# Altium PCB Copy of RTD_12POS_WPSv2.PcbDoc (part 1 of 2)
Units mm, origin at the board's own origin, x right, y up, seen from the top; angles counter-clockwise.
Board outline 122.55 x 122.29 mm, 2 copper layers (Top Layer, Bottom Layer); 330 components, 293 nets, 1223 pads, 0 vias.
Unrouted connection lines stored in the file: 846.
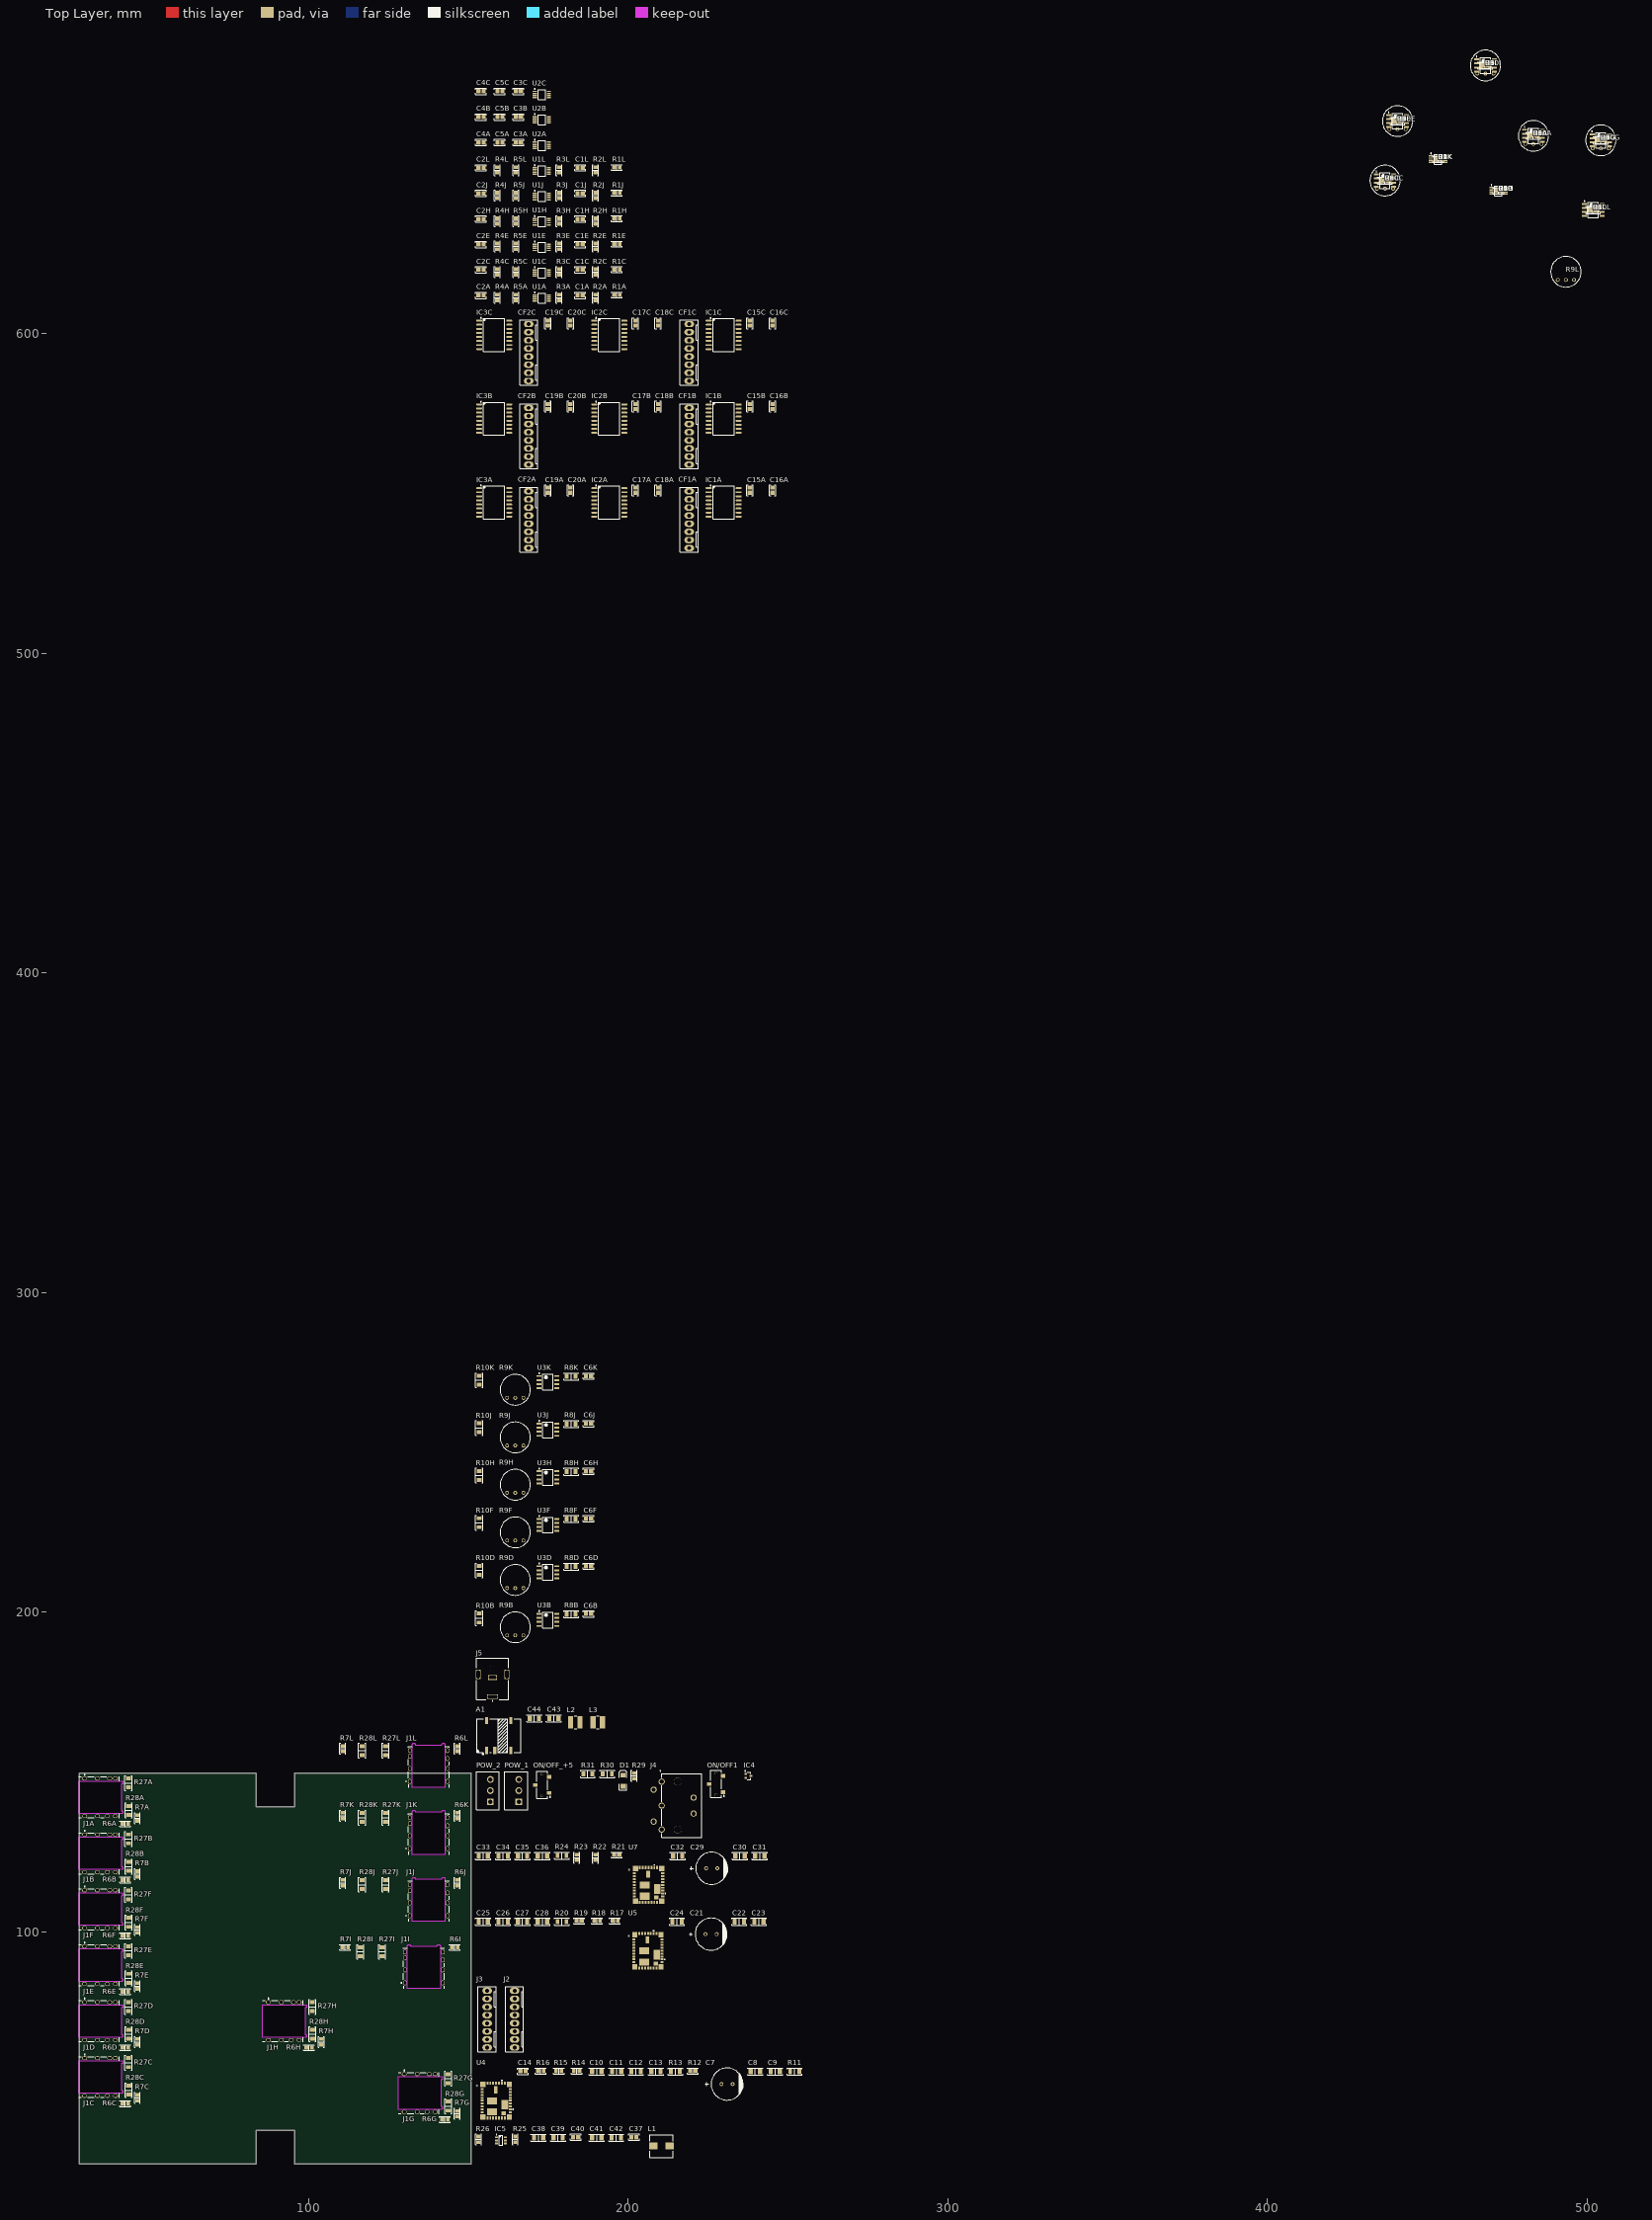
[diagram p0: Top Layer view]
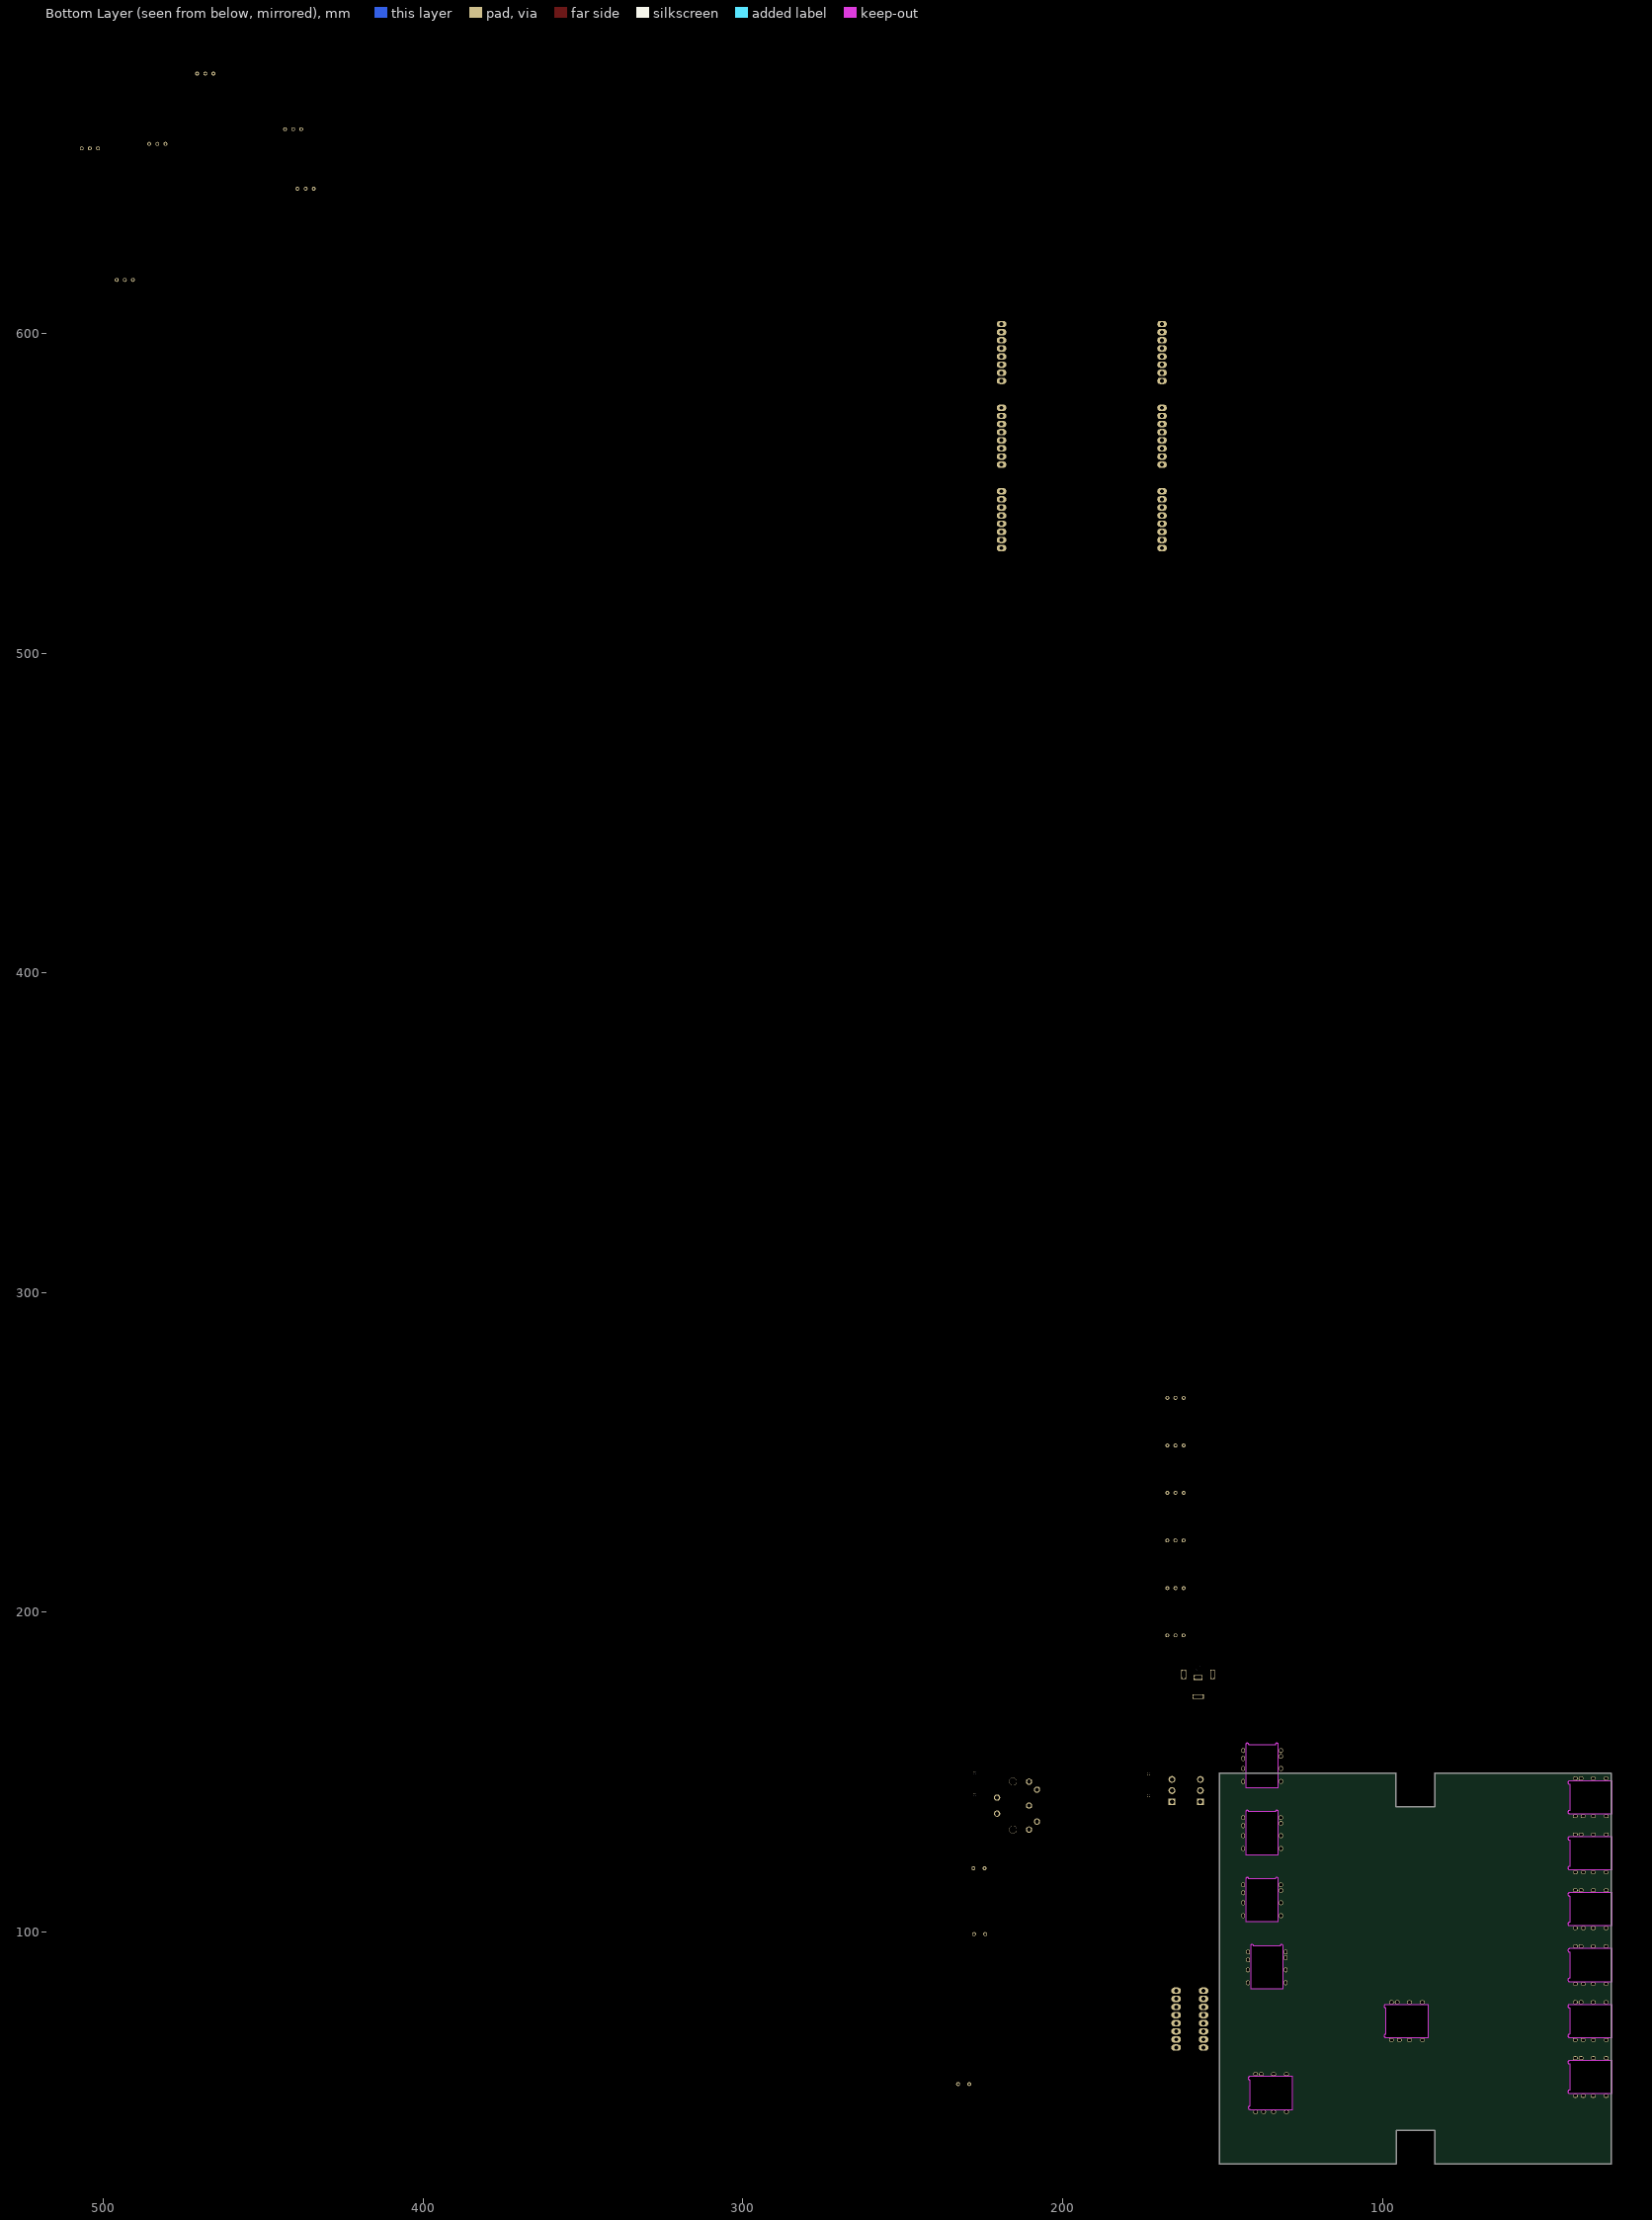
[diagram p1: Bottom Layer view, seen from below]

## Layer stack, top to bottom
Top Solder: solder mask 0.0102, Solder Resist, Dk 3.5
Top Layer: signal copper 0.0356
Dielectric 1: dielectric 0.32, FR-4, Dk 4.8
Bottom Layer: signal copper 0.0356
Bottom Solder: solder mask 0.0102, Solder Resist, Dk 3.5

## Board outline
28.373,27.5 ccw(c28.5,27.5) 28.5,27.373 83.48,27.373 ccw(c83.48,27.5) 83.607,27.5 83.607,37.873 95.673,37.873 95.673,27.51 ccw(c95.8,27.51) 95.715,27.415 ccw(c95.81,27.5) 95.81,27.373 150.8,27.373 ccw(c150.8,27.5) 150.927,27.5 150.927,149.54 ccw(c150.8,149.54) 150.8,149.667 95.82,149.667 ccw(c95.82,149.54) 95.693,149.54 95.693,139.147 83.607,139.147 83.607,149.54 ccw(c83.48,149.54) 83.48,149.667 28.5,149.667 ccw(c28.5,149.54) 28.373,149.54

## Design rules (kind name [scope] priority, off if disabled: settings)
Clearance [All] p1: gap=0.254 ignorepadtopadclearanceinfootprint=FALSE except(0: Arc-Hole Track-Hole SMDPad-Hole THPad-Hole Via-Hole Fill-Hole Poly-Hole Region-Hole Text-Hole)
PolygonConnect [All] p1: connectstyle=Relief reliefconductorwidth=0.254 reliefentries=4 polygonreliefangle="90 Angle" airgapwidth=0.254
RoomDefinition U_VrefSchC [InComponentClass('U_VrefSchC')] p1: confinementstyle=ConfineIn formatcopy=TRUE lockcomponents=FALSE outline 152,672.799 176.4,672.799 176.4,679.599 152,679.599
RoomDefinition U_VrefSchB [InComponentClass('U_VrefSchB')] p2: confinementstyle=ConfineIn formatcopy=TRUE lockcomponents=FALSE outline 152,664.899 176.4,664.899 176.4,671.599 152,671.599
RoomDefinition U_VrefSchA [InComponentClass('U_VrefSchA')] p3: confinementstyle=ConfineIn formatcopy=TRUE lockcomponents=FALSE outline 152,656.899 176.4,656.899 176.4,663.599 152,663.599
RoomDefinition U_VccConnSch [InComponentClass('U_VccConnSch')] p4: confinementstyle=ConfineIn formatcopy=TRUE lockcomponents=FALSE outline 152,171.9 163.2,171.9 163.2,188.5 152,188.5
RoomDefinition U_RTDAnalogL [InComponentClass('U_RTDAnalogL')] p5: confinementstyle=ConfineIn formatcopy=TRUE lockcomponents=FALSE outline 152,648.899 199.2,648.899 199.2,655.699 152,655.699
RoomDefinition U_RTDAnalogK [InComponentClass('U_RTDAnalogK')] p6: confinementstyle=ConfineIn formatcopy=TRUE lockcomponents=FALSE outline 450,652.6 457.9,652.6 457.9,656.8 450,656.8
RoomDefinition U_RTDAnalogJ [InComponentClass('U_RTDAnalogJ')] p7: confinementstyle=ConfineIn formatcopy=TRUE lockcomponents=FALSE outline 152,640.899 199.2,640.899 199.2,647.699 152,647.699
RoomDefinition U_RTDAnalogI [InComponentClass('U_RTDAnalogI')] p8: confinementstyle=ConfineIn formatcopy=TRUE lockcomponents=FALSE outline 468.897,642.697 476.297,642.697 476.297,646.897 468.897,646.897
RoomDefinition U_RTDAnalogH [InComponentClass('U_RTDAnalogH')] p9: confinementstyle=ConfineIn formatcopy=TRUE lockcomponents=FALSE outline 152,632.999 199.2,632.999 199.2,639.699 152,639.699
RoomDefinition U_RTDAnalogG [InComponentClass('U_RTDAnalogG')] p10: confinementstyle=ConfineIn formatcopy=TRUE lockcomponents=FALSE outline 468.897,642.697 476.797,642.697 476.797,646.897 468.897,646.897
RoomDefinition U_RTDAnalogF [InComponentClass('U_RTDAnalogF')] p11: confinementstyle=ConfineIn formatcopy=TRUE lockcomponents=FALSE outline 468.897,642.697 476.797,642.697 476.797,646.897 468.897,646.897
RoomDefinition U_RTDAnalogE [InComponentClass('U_RTDAnalogE')] p12: confinementstyle=ConfineIn formatcopy=TRUE lockcomponents=FALSE outline 152,624.999 199.2,624.999 199.2,631.799 152,631.799
RoomDefinition U_RTDAnalogD [InComponentClass('U_RTDAnalogD')] p13: confinementstyle=ConfineIn formatcopy=TRUE lockcomponents=FALSE outline 468.897,642.697 476.797,642.697 476.797,646.897 468.897,646.897
RoomDefinition U_RTDAnalogC [InComponentClass('U_RTDAnalogC')] p14: confinementstyle=ConfineIn formatcopy=TRUE lockcomponents=FALSE outline 152,616.999 199.2,616.999 199.2,623.799 152,623.799
RoomDefinition U_RTDAnalogB [InComponentClass('U_RTDAnalogB')] p15: confinementstyle=ConfineIn formatcopy=TRUE lockcomponents=FALSE outline 468.897,642.697 476.797,642.697 476.797,646.897 468.897,646.897
RoomDefinition U_RTDAnalogA [InComponentClass('U_RTDAnalogA')] p16: confinementstyle=ConfineIn formatcopy=TRUE lockcomponents=FALSE outline 152,609.099 199.2,609.099 199.2,615.799 152,615.799
RoomDefinition U_PowerIsolation [InComponentClass('U_PowerIsolation')] p17: confinementstyle=ConfineIn formatcopy=TRUE lockcomponents=FALSE outline 152,154.6 193.6,154.6 193.6,170.7 152,170.7
RoomDefinition U_PowerDelivery [InComponentClass('U_PowerDelivery')] p18: confinementstyle=ConfineIn formatcopy=TRUE lockcomponents=FALSE outline 152.1,129 240.5,129 240.5,153.4 152.1,153.4
RoomDefinition U_Neg12V [InComponentClass('U_Neg12V')] p19: confinementstyle=ConfineIn formatcopy=TRUE lockcomponents=FALSE outline 152.1,108.3 243.8,108.3 243.8,127.8 152.1,127.8
RoomDefinition U_Neg5V [InComponentClass('U_Neg5V')] p20: confinementstyle=ConfineIn formatcopy=TRUE lockcomponents=FALSE outline 152.1,87.7 243.5,87.7 243.5,107.1 152.1,107.1
RoomDefinition U_MonitorOut [InComponentClass('U_MonitorOut')] p21: confinementstyle=ConfineIn formatcopy=TRUE lockcomponents=FALSE outline 152.1,61.5 168.3,61.5 168.3,86.4 152.1,86.4
RoomDefinition U_IsolationOut [InComponentClass('U_IsolationOut')] p22: confinementstyle=ConfineIn formatcopy=TRUE lockcomponents=FALSE outline 152.1,582.899 250.099,582.899 250.099,607.899 152.1,607.899
RoomDefinition U_ConnGd- [InComponentClass('U_ConnGd-')] p23: confinementstyle=ConfineIn formatcopy=TRUE lockcomponents=FALSE outline 152.1,556.699 250.099,556.699 250.099,581.699 152.1,581.699
RoomDefinition U_ConnGd+ [InComponentClass('U_ConnGd+')] p24: confinementstyle=ConfineIn formatcopy=TRUE lockcomponents=FALSE outline 152.1,530.599 250.099,530.599 250.099,555.499 152.1,555.499
RoomDefinition U_ConnectorSchRF [InComponentClass('U_ConnectorSchRF')] p25: confinementstyle=ConfineIn formatcopy=TRUE lockcomponents=FALSE outline 109.5,142.199 150.3,142.199 150.3,161.899 109.5,161.899
RoomDefinition U_ConnectorSchRE [InComponentClass('U_ConnectorSchRE')] p26: confinementstyle=ConfineIn formatcopy=TRUE lockcomponents=FALSE outline 109.5,121.199 150.3,121.199 150.3,140.899 109.5,140.899
RoomDefinition U_ConnectorSchRD [InComponentClass('U_ConnectorSchRD')] p27: confinementstyle=ConfineIn formatcopy=TRUE lockcomponents=FALSE outline 109.5,100.199 150.3,100.199 150.3,119.899 109.5,119.899
RoomDefinition U_ConnectorSchRC [InComponentClass('U_ConnectorSchRC')] p28: confinementstyle=ConfineIn formatcopy=TRUE lockcomponents=FALSE outline 109.5,79.199 148.3,79.199 148.3,98.899 109.5,98.899
RoomDefinition U_ConnectorSchRB [InComponentClass('U_ConnectorSchRB')] p29: confinementstyle=ConfineIn formatcopy=TRUE lockcomponents=FALSE outline 82.5,62.5 105.3,62.5 105.3,79.7 82.5,79.7
RoomDefinition U_ConnectorSchRA [InComponentClass('U_ConnectorSchRA')] p30: confinementstyle=ConfineIn formatcopy=TRUE lockcomponents=FALSE outline 125,40 147.8,40 147.8,57.2 125,57.2
RoomDefinition U_ConnectorSchLF [InComponentClass('U_ConnectorSchLF')] p31: confinementstyle=ConfineIn formatcopy=TRUE lockcomponents=FALSE outline 25,97.5 47.8,97.5 47.8,114.7 25,114.7
RoomDefinition U_ConnectorSchLE [InComponentClass('U_ConnectorSchLE')] p32: confinementstyle=ConfineIn formatcopy=TRUE lockcomponents=FALSE outline 25,80 47.8,80 47.8,97.2 25,97.2
RoomDefinition U_ConnectorSchLD [InComponentClass('U_ConnectorSchLD')] p33: confinementstyle=ConfineIn formatcopy=TRUE lockcomponents=FALSE outline 25,62.5 47.8,62.5 47.8,79.7 25,79.7
RoomDefinition U_ConnectorSchLC [InComponentClass('U_ConnectorSchLC')] p34: confinementstyle=ConfineIn formatcopy=TRUE lockcomponents=FALSE outline 25,45 47.8,45 47.8,62.2 25,62.2
RoomDefinition U_ConnectorSchLB [InComponentClass('U_ConnectorSchLB')] p35: confinementstyle=ConfineIn formatcopy=TRUE lockcomponents=FALSE outline 25,115 47.8,115 47.8,132.2 25,132.2
RoomDefinition U_ConnectorSchLA [InComponentClass('U_ConnectorSchLA')] p36: confinementstyle=ConfineIn formatcopy=TRUE lockcomponents=FALSE outline 25,132.5 47.8,132.5 47.8,149.7 25,149.7
RoomDefinition U_ComparisonSchL [InComponentClass('U_ComparisonSchL')] p37: confinementstyle=ConfineIn formatcopy=TRUE lockcomponents=FALSE outline 496.4,633.2 507.7,633.2 507.7,644.2 496.4,644.2
RoomDefinition U_ComparisonSchK [InComponentClass('U_ComparisonSchK')] p38: confinementstyle=ConfineIn formatcopy=TRUE lockcomponents=FALSE outline 152,264.099 190.6,264.099 190.6,277.699 152,277.699
RoomDefinition U_ComparisonSchJ [InComponentClass('U_ComparisonSchJ')] p39: confinementstyle=ConfineIn formatcopy=TRUE lockcomponents=FALSE outline 152,249.2 190.6,249.2 190.6,262.799 152,262.799
RoomDefinition U_ComparisonSchI [InComponentClass('U_ComparisonSchI')] p40: confinementstyle=ConfineIn formatcopy=TRUE lockcomponents=FALSE outline 462.7,678.4 473.7,678.4 473.7,689.4 462.7,689.4
RoomDefinition U_ComparisonSchH [InComponentClass('U_ComparisonSchH')] p41: confinementstyle=ConfineIn formatcopy=TRUE lockcomponents=FALSE outline 152,234.4 190.6,234.4 190.6,248 152,248
RoomDefinition U_ComparisonSchG [InComponentClass('U_ComparisonSchG')] p42: confinementstyle=ConfineIn formatcopy=TRUE lockcomponents=FALSE outline 498.8,655 510.1,655 510.1,666 498.8,666
RoomDefinition U_ComparisonSchF [InComponentClass('U_ComparisonSchF')] p43: confinementstyle=ConfineIn formatcopy=TRUE lockcomponents=FALSE outline 152,219.5 190.6,219.5 190.6,233.1 152,233.1
RoomDefinition U_ComparisonSchE [InComponentClass('U_ComparisonSchE')] p44: confinementstyle=ConfineIn formatcopy=TRUE lockcomponents=FALSE outline 435.2,661 446.5,661 446.5,672 435.2,672
RoomDefinition U_ComparisonSchD [InComponentClass('U_ComparisonSchD')] p45: confinementstyle=ConfineIn formatcopy=TRUE lockcomponents=FALSE outline 152,204.6 190.6,204.6 190.6,218.2 152,218.2
RoomDefinition U_ComparisonSchC [InComponentClass('U_ComparisonSchC')] p46: confinementstyle=ConfineIn formatcopy=TRUE lockcomponents=FALSE outline 431.3,642.4 442.6,642.4 442.6,653.4 431.3,653.4
RoomDefinition U_ComparisonSchB [InComponentClass('U_ComparisonSchB')] p47: confinementstyle=ConfineIn formatcopy=TRUE lockcomponents=FALSE outline 152,189.8 190.6,189.8 190.6,203.4 152,203.4
RoomDefinition U_ComparisonSchA [InComponentClass('U_ComparisonSchA')] p48: confinementstyle=ConfineIn formatcopy=TRUE lockcomponents=FALSE outline 477.7,656.4 489,656.4 489,667.4 477.7,667.4
RoomDefinition U_12VSupply [InComponentClass('U_12VSupply')] p49: confinementstyle=ConfineIn formatcopy=TRUE lockcomponents=FALSE outline 152.1,40.8 254.699,40.8 254.699,60.2 152.1,60.2
RoomDefinition U_5VSupply [InComponentClass('U_5VSupply')] p50: confinementstyle=ConfineIn formatcopy=TRUE lockcomponents=FALSE outline 152,28.9 215,28.9 215,39.6 152,39.6
RoutingVias [All] p1: holewidth=0.711 width=1.27 viastyle="Through Hole" minholewidth=0.711 minwidth=1.27 maxholewidth=0.711 maxwidth=1.27
SolderMaskExpansion [All] p1: expansion=0.102 istentingtop=FALSE
Width [All] p1: maxlimit=0.254 minlimit=0.254 preferedwidth=0.254
30 further rules are at their usual default settings.

## Classes and differential pairs
net class CONNGDR-[1..6]: CONNGDR-1 CONNGDR-2 CONNGDR-3 CONNGDR-4 CONNGDR-5 CONNGDR-6
net class CONNGDR+[1..6]: CONNGDR+1 CONNGDR+2 CONNGDR+3 CONNGDR+4 CONNGDR+5 CONNGDR+6
net class CONNGDL-[1..6]: CONNGDL-1 CONNGDL-2 CONNGDL-3 CONNGDL-4 CONNGDL-5 CONNGDL-6
net class CONNGDL+[1..6]: CONNGDL+1 CONNGDL+2 CONNGDL+3 CONNGDL+4 CONNGDL+5 CONNGDL+6
channel class VrefSch: U_VrefSchA U_VrefSchB U_VrefSchC
channel class RTDAnalog: U_RTDAnalogA U_RTDAnalogB U_RTDAnalogC U_RTDAnalogD U_RTDAnalogE U_RTDAnalogF U_RTDAnalogG U_RTDAnalogH U_RTDAnalogI U_RTDAnalogJ U_RTDAnalogK U_RTDAnalogL
channel class IsolationOut: U_ConnGd+ U_ConnGd- U_IsolationOut
channel class ConnectorSch: U_ConnectorSchLA U_ConnectorSchLB U_ConnectorSchLC U_ConnectorSchLD U_ConnectorSchLE U_ConnectorSchLF U_ConnectorSchRA U_ConnectorSchRB U_ConnectorSchRC U_ConnectorSchRD U_ConnectorSchRE U_ConnectorSchRF
channel class ComparisonSch: U_ComparisonSchA U_ComparisonSchB U_ComparisonSchC U_ComparisonSchD U_ComparisonSchE U_ComparisonSchF U_ComparisonSchG U_ComparisonSchH U_ComparisonSchI U_ComparisonSchJ U_ComparisonSchK U_ComparisonSchL
net class Vrtd[1..6]: Vrtd1 Vrtd2 Vrtd3 Vrtd4 Vrtd5 Vrtd6
net class Vref[1..3]: Vref1 Vref2 Vref3
net class Vout[1..6]: Vout1 Vout2 Vout3 Vout4 Vout5 Vout6
net class CFB[1..6]: CFB1 CFB2 CFB3 CFB4 CFB5 CFB6
net class CFA[1..6]: CFA1 CFA2 CFA3 CFA4 CFA5 CFA6
component class U_VrefSchC: C3C C4C C5C U2C
component class U_VrefSchB: C3B C4B C5B U2B
component class U_VrefSchA: C3A C4A C5A U2A
component class U_VccConnSch: J5
component class U_RTDAnalogL: C1L C2L R1L R2L R3L R4L R5L U1L
component class U_RTDAnalogK: C1K C2K R1K R2K R3K R4K R5K U1K
component class U_RTDAnalogJ: C1J C2J R1J R2J R3J R4J R5J U1J
component class U_RTDAnalogI: C1I C2I R1I R2I R3I R4I R5I U1I
component class U_RTDAnalogH: C1H C2H R1H R2H R3H R4H R5H U1H
component class U_RTDAnalogG: C1G C2G R1G R2G R3G R4G R5G U1G
component class U_RTDAnalogF: C1F C2F R1F R2F R3F R4F R5F U1F
component class U_RTDAnalogE: C1E C2E R1E R2E R3E R4E R5E U1E
component class U_RTDAnalogD: C1D C2D R1D R2D R3D R4D R5D U1D
component class U_RTDAnalogC: C1C C2C R1C R2C R3C R4C R5C U1C
component class U_RTDAnalogB: C1B C2B R1B R2B R3B R4B R5B U1B
component class U_RTDAnalogA: C1A C2A R1A R2A R3A R4A R5A U1A
component class U_PowerIsolation: A1 C43 C44 L2 L3
component class U_PowerDelivery: D1 IC4 J4 ON/OFF1 ON/OFF_+5 POW_1 POW_2 R29 R30 R31
component class U_Neg12V: C29 C30 C31 C32 C33 C34 C35 C36 R21 R22 R23 R24 U7 U8
component class U_Neg5V: C21 C22 C23 C24 C25 C26 C27 C28 R17 R18 R19 R20 U5 U6
component class U_MonitorOut: J2 J3
component class U_IsolationOut: C15C C16C C17C C18C C19C C20C CF1C CF2C IC1C IC2C IC3C
component class U_ConnGd-: C15B C16B C17B C18B C19B C20B CF1B CF2B IC1B IC2B IC3B
component class U_ConnGd+: C15A C16A C17A C18A C19A C20A CF1A CF2A IC1A IC2A IC3A
component class U_ConnectorSchRF: J1L R6L R7L R27L R28L
component class U_ConnectorSchRE: J1K R6K R7K R27K R28K
component class U_ConnectorSchRD: J1J R6J R7J R27J R28J
component class U_ConnectorSchRC: J1I R6I R7I R27I R28I
component class U_ConnectorSchRB: J1H R6H R7H R27H R28H
component class U_ConnectorSchRA: J1G R6G R7G R27G R28G
component class U_ConnectorSchLF: J1F R6F R7F R27F R28F
component class U_ConnectorSchLE: J1E R6E R7E R27E R28E
component class U_ConnectorSchLD: J1D R6D R7D R27D R28D
component class U_ConnectorSchLC: J1C R6C R7C R27C R28C
component class U_ConnectorSchLB: J1B R6B R7B R27B R28B
component class U_ConnectorSchLA: J1A R6A R7A R27A R28A
component class U_ComparisonSchL: C6L R8L R9L R10L U3L
component class U_ComparisonSchK: C6K R8K R9K R10K U3K
component class U_ComparisonSchJ: C6J R8J R9J R10J U3J
component class U_ComparisonSchI: C6I R8I R9I R10I U3I
component class U_ComparisonSchH: C6H R8H R9H R10H U3H
component class U_ComparisonSchG: C6G R8G R9G R10G U3G
component class U_ComparisonSchF: C6F R8F R9F R10F U3F
component class U_ComparisonSchE: C6E R8E R9E R10E U3E
component class U_ComparisonSchD: C6D R8D R9D R10D U3D
component class U_ComparisonSchC: C6C R8C R9C R10C U3C
component class U_ComparisonSchB: C6B R8B R9B R10B U3B
component class U_ComparisonSchA: C6A R8A R9A R10A U3A
component class U_12VSupply: C7 C8 C9 C10 C11 C12 C13 C14 R11 R12 R13 R14 R15 R16 U4